# KiCad board st225_20527.kicad_pcb

Outline 136.78 x 199.14 mm; copper layers: Top, Bottom. Coordinates in mm from the lower left corner of the outline.
Outline path: 2.67,134.75 2.67,146.18 12.45,146.18 arc(43.65,142.98) 54.35,172.46 ; 3.17,134.75 arc(2.77,133.76) 1.78,133.35 0,133.35 0,98.04 1.65,98.04 arc(2.64,97.63) 3.05,96.65 3.05,86.74 3.33,86.74 arc(4.32,86.33) 4.73,85.34 4.73,66.42 arc(4.32,65.43) 3.33,65.02 3.05,65.02 3.05,55.25 arc(2.64,54.26) 1.65,53.85 0,53.85 0,28.19 5.84,28.19 5.84,12.32 1.52,12.32 1.52,2.16 3.56,0.13 26.54,0.13 28.7,2.29 28.7,8.76 arc(29.11,9.75) 30.1,10.16 59.05,10.16 arc(60.04,9.75) 60.45,8.76 60.45,2.16 62.48,0.13 104.27,0.13 105.54,1.4 105.54,8.76 arc(105.95,9.75) 106.93,10.16 110.49,10.16 arc(111.48,9.75) 111.89,8.76 111.89,1.4 arc(112.3,0.41) 113.28,0 135.38,0 arc(136.37,0.41) 136.78,1.4 136.78,12.32 130.94,12.32 130.94,28.19 136.78,28.19 136.78,53.98 135.13,53.98 arc(134.14,54.38) 133.73,55.37 133.73,65.15 133.45,65.15 arc(132.46,65.56) 132.05,66.55 132.05,85.47 arc(132.46,86.46) 133.45,86.87 133.73,86.87 133.73,96.77 arc(134.14,97.76) 135.13,98.17 136.78,98.17 136.78,133.22 135.13,133.22 arc(134.14,133.63) 133.73,134.62 133.73,144.4 133.45,144.4 arc(132.46,144.81) 132.05,145.8 132.05,164.72 arc(132.46,165.71) 133.45,166.12 133.73,166.12 133.73,176.02 arc(134.14,177.01) 135.13,177.42 136.78,177.42 136.78,193.04 130.68,199.14 54.36,199.14 54.36,172.47 ; 66.93,81.41 69.98,81.41 69.98,75.06 arc(68.45,66.9) 66.93,75.06 66.93,81.41
Stack: Top 0.035mm / dielectric 1.51mm FR4 er 4.5 / Bottom 0.035mm

## Placement (name value [footprint] x y rotation side)
1B1  74123  [DIP254P762X635-16]  30.34 15.36 180 top
1C1  7438  [DIP254P762X635-14]  71.63 20.44 270 top
1D2  7438  [DIP254P762X635-14]  91.44 20.44 270 top
1H1  7406  [DIP254P762X635-14]  91.44 33.26 270 top
2E1  75453  [DIP254P762X635-8]  104.64 23.1 180 top
3A1  74HC74  [DIP254P762X635-14]  20.31 38.98 180 top
3B1  7406  [DIP254P762X635-14]  30.72 38.98 180 top
3J1  74LS14  [DIP254P762X635-14]  71.76 33.01 270 top
4A1  74123  [DIP254P762X635-16]  19.17 63.74 180 top
4B1  7409  [DIP254P762X635-14]  30.61 59.94 180 top
4F1  11695-002  [DIP254P762X635-8]  116.7 60.06 180 top
5B1  10206-002  [DIP254P1524X635-40]  51.96 124.85 270 top
5D1  6500/1  [DIP254P1524X635-40]  70.59 113.28 90 top
6D1  74LS74  [DIP254P762X635-14]  90.18 139.31 270 top
6F1  7445  [DIP254P762X635-16]  130.19 143.75 270 top
7E1  11665-001  [DIP254P762X635-16]  105.55 155.31 270 top
7F1  7445  [DIP254P762X635-16]  127.77 155.18 270 top
8E1  10014-002  [DIP254P762X635-20]  103.65 169.54 270 top
9E1  11642-001  [DIP254P762X635-20]  103.65 180.71 270 top
C1  0.1uF  [C_Axial_L3.8mm_D2.6mm_P10.00mm_Horizontal]  76.96 169.29 90 top
C2  0.01uF  [C_Axial_L3.8mm_D2.6mm_P10.00mm_Horizontal]  107.31 174.32 90 top
C3  100pF  [C_Axial_L3.8mm_D2.6mm_P10.00mm_Horizontal]  56.6 151.51 0 top
C4  ?  [C_Axial_L3.8mm_D2.6mm_P10.00mm_Horizontal]  76.84 184.79 180 top
C5  ?  [C_Axial_L3.8mm_D2.6mm_P10.00mm_Horizontal]  76.75 182.25 180 top
C6  22pF  [C_Axial_L3.8mm_D2.6mm_P10.00mm_Horizontal]  74.29 156.8 90 top
C7  330pF  [C_Axial_L3.8mm_D2.6mm_P10.00mm_Horizontal]  49.86 127.25 0 top
C8  0.1uF  [C_Rect_L7.0mm_W2.0mm_P5.00mm]  52.03 107.06 180 top
C9  220pF  [C_Rect_L7.0mm_W3.5mm_P5.00mm]  39.62 131.1 90 top
C10  0.01uF  [C_Rect_L7.0mm_W2.0mm_P5.00mm]  24.09 132.33 180 top
C11  330pF  [C_Rect_L7.0mm_W2.0mm_P5.00mm]  24.09 135 180 top
C12  330pF  [C_Rect_L7.0mm_W2.0mm_P5.00mm]  24.09 129.79 180 top
C13  0.01uF  [C_Rect_L7.0mm_W2.0mm_P5.00mm]  24.09 127.38 180 top
C14  47pF  [C_Rect_L7.0mm_W2.0mm_P5.00mm]  34.29 94.27 90 top
C15  47pF  [C_Axial_L3.8mm_D2.6mm_P10.00mm_Horizontal]  24.13 106.98 270 top
C16  0.1uF  [C_Rect_L7.0mm_W2.0mm_P5.00mm]  16.72 106.81 180 top
C17  0.068uF  [C_Axial_L3.8mm_D2.6mm_P12.50mm_Horizontal]  69.06 22.86 0 top
C18  0.1uF  [C_Rect_L7.0mm_W2.5mm_P5.00mm]  104.9 194.52 270 top
C19  0.012uF  [C_Axial_L3.8mm_D2.6mm_P10.00mm_Horizontal]  71.75 179.37 270 top
C20  0.47uF  [C_Axial_L3.8mm_D2.6mm_P12.50mm_Horizontal]  121.79 38.71 90 top
C21  39  [C_Axial_L3.8mm_D2.6mm_P10.00mm_Horizontal]  97.62 109.6 0 top
C22  0.1uF  [C_Rect_L7.0mm_W2.0mm_P5.00mm]  15.28 59.94 0 top
C23  4.7uF  [CP_Radial_D5.0mm_P2.50mm]  16.45 89.28 180 top
C24  100uF  [C_Axial_L12.0mm_D6.5mm_P20.00mm_Horizontal]  113.03 32.48 270 top
C25  0.1uF  [C_Axial_L3.8mm_D2.6mm_P10.00mm_Horizontal]  79.38 148.54 90 top
C26  4.7uF  [CP_Radial_D5.0mm_P2.50mm]  15.18 96.27 180 top
C27  0.1uF  [C_Axial_L3.8mm_D2.6mm_P10.00mm_Horizontal]  116.67 32.77 0 top
C28  0.1uF  [C_Rect_L7.0mm_W2.0mm_P5.00mm]  20.15 15.37 180 top
C29  0.1uF  [C_Rect_L7.0mm_W2.0mm_P5.00mm]  11.05 92.42 270 top
C30  0.1uF  [C_Rect_L7.0mm_W2.5mm_P5.00mm]  109.81 145.03 180 top
C31  0.47uF  [C_Rect_L7.0mm_W2.0mm_P5.00mm]  16.72 103.63 180 top
C32  0.1uF  [C_Rect_L7.0mm_W2.0mm_P5.00mm]  15.15 35.56 0 top
C33  0.1uF  [C_Rect_L7.0mm_W2.0mm_P5.00mm]  52.54 35.18 180 top
C34  0.1uF  [C_Rect_L7.0mm_W2.0mm_P5.00mm]  91.4 22.86 180 top
C35  0.1uF  [C_Rect_L7.0mm_W2.0mm_P5.00mm]  10.29 59.44 270 top
C36  220pF  [C_Rect_L7.0mm_W2.0mm_P5.00mm]  15.15 20.45 0 top
C37  0.1uF  [C_Axial_L3.8mm_D2.6mm_P10.00mm_Horizontal]  32.89 34.46 270 top
C38  0.1uF  [C_Axial_L3.8mm_D2.6mm_P10.00mm_Horizontal]  130.09 133.73 180 top
C39  47pF  [C_Axial_L3.8mm_D2.6mm_P10.00mm_Horizontal]  29.21 96.98 90 top
C40  0.1uF  [C_Axial_L3.8mm_D2.6mm_P10.00mm_Horizontal]  71.84 109.47 0 top
C41  47pF  [C_Axial_L3.8mm_D2.6mm_P10.00mm_Horizontal]  18.92 96.98 90 top
C42  ?pF  [C_Axial_L3.8mm_D2.6mm_P10.00mm_Horizontal]  9.02 137.84 270 top
C43  0.1uF  [C_Axial_L3.8mm_D2.6mm_P10.00mm_Horizontal]  116.67 35.31 0 top
C44  100pF  [C_Rect_L7.0mm_W2.0mm_P5.00mm]  15.03 28.07 0 top
C45  DNI  [C_Axial_L3.8mm_D2.6mm_P10.00mm_Horizontal]  69.22 179.37 270 top
C46  0.1uF  [C_Axial_L3.8mm_D2.6mm_P10.00mm_Horizontal]  66.88 187.58 0 top
C47  0.1uF  [C_Axial_L3.8mm_D2.6mm_P10.00mm_Horizontal]  96.39 131.95 90 top
CR1  1N4148  [D_DO-35_SOD27_P10.16mm_Horizontal]  113.03 44.2 90 top
CR2  1N5818  [D_DO-35_SOD27_P10.16mm_Horizontal]  107.82 22.61 270 top
CR3  1N5818  [D_DO-35_SOD27_P10.16mm_Horizontal]  100.33 104.39 270 top
D5  LED  [PinHeader_1x02_P2.54mm_Vertical]  109.85 188.72 90 top
J1  control  [EDGE_34_100]  83.06 4.83 0 top
J2  data  [EDGE_20_100]  15.11 5.21 0 top
J3  POWER  [Samtec_HPM-04-01-x-S_Straight_1x04_Pitch5.08mm]  132.33 5.84 270 top
J4  SPINDLE  [PinHeader_1x07_P2.54mm_Vertical]  128.14 53.6 0 top
J5  HEADS  [PinHeader_2x09_P2.54mm_Horizontal]  82.05 183.07 90 top
J6  STEPPER  [PinHeader_1x05_P2.54mm_Vertical]  115.07 189.61 90 top
J7  CONFIG  [PinHeader_2x08_P2.54mm_Horizontal]  53.34 22.86 270 top
L1  22uH  [L_Axial_L9.5mm_D4.0mm_P15.24mm_Horizontal_Fastron_SMCC]  64.77 170.18 270 top
L2  22uH  [L_Axial_L9.5mm_D4.0mm_P15.24mm_Horizontal_Fastron_SMCC]  59.69 170.18 270 top
L3  10uH  [L_Axial_L9.5mm_D4.0mm_P15.24mm_Horizontal_Fastron_SMCC]  59.69 148.47 270 top
L4  10uH  [L_Axial_L9.5mm_D4.0mm_P15.24mm_Horizontal_Fastron_SMCC]  54.74 148.47 270 top
L5  3.3uH  [L_Axial_L9.5mm_D4.0mm_P12.70mm_Horizontal_Fastron_SMCC]  45.97 139.95 270 top
L6  10uH  [L_Axial_L9.5mm_D4.0mm_P15.24mm_Horizontal_Fastron_SMCC]  34.8 90.42 180 top
L7  22uH?  [L_Axial_L13.0mm_D4.5mm_P15.24mm_Horizontal_Fastron_HCCC]  127.38 12.7 98 top
L8  22uH?  [L_Axial_L13.0mm_D4.5mm_P15.24mm_Horizontal_Fastron_HCCC]  120.44 12.65 98 top
L9  ?uH  [L_Axial_L9.5mm_D4.0mm_P15.24mm_Horizontal_Fastron_SMCC]  5.08 127.38 90 top
Q1  BD436  [TO-126-3_Horizontal_TabDown]  116.27 99.19 270 top
Q2  2N6039  [TO-126-3_Horizontal_TabDown]  116.27 108.08 270 top
Q3  BD436  [TO-126-3_Horizontal_TabDown]  115 77.6 270 top
Q4  2N6039  [TO-126-3_Horizontal_TabDown]  115 86.61 270 top
Q5  BD436  [TO-126-3_Horizontal_TabDown]  104.78 36.96 0 top
Q6  2N3906  [TO-92L_Inline_Wide]  112.9 41.02 270 top
Q7  2N3906  [TO-92L_Inline_Wide]  121.93 54.17 180 top
Q9  2N3906  [TO-92L_Inline_Wide]  99.06 144.91 180 top
R1  162  [R_Axial_DIN0207_L6.3mm_D2.5mm_P10.16mm_Horizontal]  63.37 174.88 90 top
R2  162  [R_Axial_DIN0207_L6.3mm_D2.5mm_P10.16mm_Horizontal]  60.96 175.01 90 top
R3  357  [R_Axial_DIN0207_L6.3mm_D2.5mm_P10.16mm_Horizontal]  59.94 130.05 180 top
R4  71.5  [R_Axial_DIN0207_L6.3mm_D2.5mm_P10.16mm_Horizontal]  42.16 137.41 270 top
R5  13.0K  [R_Axial_DIN0207_L6.3mm_D2.5mm_P10.16mm_Horizontal]  31.75 94.23 180 top
R6  100  [R_Axial_DIN0207_L6.3mm_D2.5mm_P10.16mm_Horizontal]  9.02 106.81 270 top
R7  54.9  [R_Axial_DIN0207_L6.3mm_D2.5mm_P10.16mm_Horizontal]  44.45 101.85 180 top
R8  2.8K  [R_Axial_DIN0207_L6.3mm_D2.5mm_P10.16mm_Horizontal]  44.45 104.52 180 top
R9  1K  [R_Axial_DIN0207_L6.3mm_D2.5mm_P10.16mm_Horizontal]  43.05 35.81 270 top
R10  47  [R_Axial_DIN0207_L6.3mm_D2.5mm_P10.16mm_Horizontal]  66.8 22.86 180 top
R11  1.37K  [R_Axial_DIN0207_L6.3mm_D2.5mm_P10.16mm_Horizontal]  44.45 106.93 180 top
R12  100  [R_Axial_DIN0207_L6.3mm_D2.5mm_P10.16mm_Horizontal]  107.44 186.94 90 top
R13  3.3K  [R_Axial_DIN0207_L6.3mm_D2.5mm_P10.16mm_Horizontal]  94.49 22.61 90 top
R14  15K  [R_Axial_DIN0207_L6.3mm_D2.5mm_P10.16mm_Horizontal]  119.38 65.02 0 top
R15  470  [R_Axial_DIN0207_L6.3mm_D2.5mm_P10.16mm_Horizontal]  119.38 62.61 0 top
R16  3.3K  [R_Axial_DIN0207_L6.3mm_D2.5mm_P10.16mm_Horizontal]  107.82 34.67 270 top
R17  22.1K  [R_Axial_DIN0207_L6.3mm_D2.5mm_P10.16mm_Horizontal]  129.54 67.56 180 top
R18  3.32K  [R_Axial_DIN0204_L3.6mm_D1.6mm_P7.62mm_Horizontal]  12.83 22.86 0 top
R19  1.00K  [R_Axial_DIN0204_L3.6mm_D1.6mm_P7.62mm_Horizontal]  12.7 25.53 0 top
R20  330  [R_Axial_DIN0207_L6.3mm_D2.5mm_P10.16mm_Horizontal]  97.79 106.81 0 top
R21  ?  [R_Axial_DIN0207_L6.3mm_D2.5mm_P10.16mm_Horizontal]  98.93 131.7 90 top
R22  200  [RESA700]  104.01 95.63 90 top
R23  750  [R_Axial_DIN0207_L6.3mm_D2.5mm_P10.16mm_Horizontal]  112.27 81.66 270 top
R24  11.0K  [R_Axial_DIN0207_L6.3mm_D2.5mm_P7.62mm_Horizontal]  12.7 17.91 0 top
R25  13.0K  [R_Axial_DIN0207_L6.3mm_D2.5mm_P7.62mm_Horizontal]  12.57 30.61 0 top
R26  100  [R_Axial_DIN0207_L6.3mm_D2.5mm_P10.16mm_Horizontal]  117.98 48.77 270 top
R27  0.39  [R_Axial_DIN0309_L9.0mm_D3.2mm_P20.32mm_Horizontal]  111.63 89.41 90 top
R28  330  [R_Axial_DIN0207_L6.3mm_D2.5mm_P10.16mm_Horizontal]  97.79 104.39 270 top
R29  200  [RESA700]  107.82 80.39 90 top
R30  6.2K  [R_Axial_DIN0207_L6.3mm_D2.5mm_P10.16mm_Horizontal]  84.46 148.46 90 top
R31  3.3K  [R_Axial_DIN0207_L6.3mm_D2.5mm_P10.16mm_Horizontal]  35.31 35.81 270 top
R32  8.84K  [R_Axial_DIN0207_L6.3mm_D2.5mm_P10.16mm_Horizontal]  31.62 107.06 270 top
R33  43.5K  [R_Axial_DIN0207_L6.3mm_D2.5mm_P7.62mm_Horizontal]  12.7 57.4 0 top
R34  43.5K  [R_Axial_DIN0207_L6.3mm_D2.5mm_P7.62mm_Horizontal]  11.43 84.84 0 top
R35  6.2K  [R_Axial_DIN0207_L6.3mm_D2.5mm_P10.16mm_Horizontal]  69.34 109.47 180 top
R36  8.84K  [R_Axial_DIN0207_L6.3mm_D2.5mm_P10.16mm_Horizontal]  26.67 96.9 90 top
R37  ?  [R_Axial_DIN0207_L6.3mm_D2.5mm_P10.16mm_Horizontal]  102.23 141.86 270 top
R38  39K  [R_Axial_DIN0207_L6.3mm_D2.5mm_P10.16mm_Horizontal]  93.98 141.99 270 top
R39  15  [R_Axial_DIN0309_L9.0mm_D3.2mm_P20.32mm_Horizontal]  117.6 164.47 90 top
R40  15  [R_Axial_DIN0309_L9.0mm_D3.2mm_P20.32mm_Horizontal]  111.12 164.47 90 top
R41  15  [R_Axial_DIN0309_L9.0mm_D3.2mm_P20.32mm_Horizontal]  123.82 164.47 90 top
R42  15  [R_Axial_DIN0309_L9.0mm_D3.2mm_P20.32mm_Horizontal]  130.3 164.47 90 top
R43  17.4K  [R_Axial_DIN0207_L6.3mm_D2.5mm_P10.16mm_Horizontal]  21.72 107.06 270 top
R44  5.1  [R_Axial_DIN0207_L6.3mm_D2.5mm_P10.16mm_Horizontal]  107.31 161.67 90 top
R45  499  [R_Axial_DIN0207_L6.3mm_D2.5mm_P10.16mm_Horizontal]  26.67 132.21 0 top
R46  510  [R_Axial_DIN0207_L6.3mm_D2.5mm_P10.16mm_Horizontal]  76.84 166.88 270 top
R47  499  [R_Axial_DIN0207_L6.3mm_D2.5mm_P10.16mm_Horizontal]  36.83 127.25 180 top
R48  10.0  [R_Axial_DIN0207_L6.3mm_D2.5mm_P10.16mm_Horizontal]  36.83 135 180 top
R49  10.0  [R_Axial_DIN0207_L6.3mm_D2.5mm_P10.16mm_Horizontal]  36.83 129.79 180 top
R50  2.61K  [R_Axial_DIN0207_L6.3mm_D2.5mm_P10.16mm_Horizontal]  16.51 127.89 90 top
R51  750  [R_Axial_DIN0207_L6.3mm_D2.5mm_P10.16mm_Horizontal]  13.97 138.05 270 top
R52  1.05K  [R_Axial_DIN0207_L6.3mm_D2.5mm_P10.16mm_Horizontal]  11.56 138.05 270 top
R61  220  [R_Axial_DIN0207_L6.3mm_D2.5mm_P10.16mm_Horizontal]  38.1 35.81 270 top
R62  330  [R_Axial_DIN0207_L6.3mm_D2.5mm_P10.16mm_Horizontal]  40.64 25.65 90 top
R75  22  [R_Axial_DIN0207_L6.3mm_D2.5mm_P10.16mm_Horizontal]  74.29 169.29 90 top
RP1  1.00K  [R_Array_SIP4]  27.94 86.5 270 top
RP3  6.8K  [R_Array_SIP4]  95.12 106.82 270 top
RP4  51  [R_Array_SIP6]  106.55 67.56 270 top
RP5  820  [R_Array_SIP8]  105.41 158.37 180 top
RP6  12497-001  [R_Array_SIP6]  101.47 48.39 270 top
RP7  3.3K  [R_Array_SIP6]  87.76 141.99 180 top
RP10  820  [R_Array_SIP8]  127.77 158.24 180 top
RP12  5.6K  [R_Array_SIP8]  33.02 37.47 90 top
RP14  330,220  [R_Array_SIP10]  86.23 39.24 180 top
TP1  TestPoint  [TestPoint_THTPad_1.5x1.5mm_Drill0.7mm]  50.29 141.35 0 top
TP2  TestPoint  [TestPoint_THTPad_1.5x1.5mm_Drill0.7mm]  50.16 133.1 0 top
TP3  TestPoint  [TestPoint_THTPad_1.5x1.5mm_Drill0.7mm]  50.29 137.41 0 top
TP4  TestPoint  [TestPoint_THTPad_D1.5mm_Drill0.7mm]  126.49 194.56 0 top
TP5  TestPoint  [TestPoint_THTPad_D1.5mm_Drill0.7mm]  123.95 194.56 0 top
TP6  TestPoint  [TestPoint_THTPad_D1.5mm_Drill0.7mm]  121.28 194.56 0 top
TP7  TestPoint  [TestPoint_THTPad_D1.5mm_Drill0.7mm]  118.75 194.56 0 top
Y1  ?MHz  [Crystal_HC49-U_Horizontal]  130.56 113.41 180 top

## Library data of the parts
1B1 4A1 = -: Description: Dual retriggerable Monostable
1C1 1D2 = -: Description: Quad Buffer 2-input NAND Open collector
1H1 3B1 = -: Description: Inverter Open Collect
2E1 = -: Description: quad 2-input NOR, open collector
3A1 6D1 = -: Description: Dual D Flip-flop, Set & Reset
3J1 = -: Description: Hex inverter schmitt trigger
4B1 = -: Description: Quad 2-input AND Open Collect
C1-C22 C25 C27-C47 = -: Description: Unpolarized capacitor, small symbol
C23 C24 C26 = -: Description: Polarized capacitor, small US symbol
CR1-CR3 = -: Description: Diode, small symbol, filled shape; Sim.Device: D; Sim.Pins: 1=K 2=A
D5 = -: Description: Light emitting diode, small symbol, filled shape
J1 = -: Description: Generic connector, double row, 02x17, odd/even pin numbering scheme (row 1 odd numbers, row 2 even numbers), script generated (kicad-library-utils/schlib/autogen/connector/)
J2 = -: Description: Generic connector, double row, 02x10, odd/even pin numbering scheme (row 1 odd numbers, row 2 even numbers), script generated (kicad-library-utils/schlib/autogen/connector/)
J3 = -: Description: Generic connector, single row, 01x04, script generated (kicad-library-utils/schlib/autogen/connector/)
J4 = -: Description: Generic connector, single row, 01x07, script generated (kicad-library-utils/schlib/autogen/connector/)
J5 = -: Description: Generic connector, double row, 02x09, odd/even pin numbering scheme (row 1 odd numbers, row 2 even numbers), script generated (kicad-library-utils/schlib/autogen/connector/)
J6 = -: Description: Generic connector, single row, 01x05, script generated (kicad-library-utils/schlib/autogen/connector/)
J7 = -: Description: Generic connector, double row, 02x08, odd/even pin numbering scheme (row 1 odd numbers, row 2 even numbers), script generated (kicad-library-utils/schlib/autogen/connector/)
L1-L6 L9 = -: Description: Inductor, small symbol
L7 L8 = -: Description: Inductor
Q1 Q3 Q5 = -: Description: PNP transistor, emitter/collector/base
Q2 Q4 = -: Description: NPN transistor, emitter/collector/base
Q6 Q7 Q9 = -: Description: PNP transistor, emitter/base/collector
R1-R52 R61 R62 R75 = -: Description: Resistor, small US symbol
RP1 = -: Description: 2 resistor network, parallel topology, SIP package
RP3 = -: Description: 2 resistor network, parallel topology, SIP package, split
RP4 RP6 = -: Description: 3 resistor network, parallel topology, SIP package, split
RP5 RP10 = -: Description: 4 resistor network, parallel topology, SIP package, split
RP7 = -: Description: 5 resistor network, star topology, bussed resistors, split
RP12 = -: Description: 7 resistor network, star topology, bussed resistors, split
RP14 = -: Description: 8 voltage divider network, dual terminator, SIP package
TP1-TP7 = -: Description: test point
Y1 = -: Description: Two pin crystal, small symbol

## Footprints (pads in the part's own frame, mm; a bottom-side part is the same pattern mirrored in y, then rotated)
C_Axial_L3.8mm_D2.6mm_P10.00mm_Horizontal
  round 1.6 hole 0.8: 1(0,0)
  oval 1.6x1.6 hole 0.8: 2(10,0)
C_Axial_L3.8mm_D2.6mm_P12.50mm_Horizontal
  round 1.6 hole 0.8: 1(0,0)
  oval 1.6x1.6 hole 0.8: 2(12.5,0)
C_Axial_L12.0mm_D6.5mm_P20.00mm_Horizontal
  round 1.6 hole 0.8: 1(0,0)
  oval 1.6x1.6 hole 0.8: 2(20,0)
C_Rect_L7.0mm_W2.0mm_P5.00mm
  round 1.6 hole 0.8: 1(0,0) 2(5,0)
C_Rect_L7.0mm_W2.5mm_P5.00mm
  round 1.6 hole 0.8: 1(0,0) 2(5,0)
C_Rect_L7.0mm_W3.5mm_P5.00mm
  round 1.6 hole 0.8: 1(0,0) 2(5,0)
CP_Radial_D5.0mm_P2.50mm
  rect 1.6x1.6 hole 0.8: 1(0,0)
  round 1.6 hole 0.8: 2(2.5,0)
Crystal_HC49-U_Horizontal
  round 1.5 hole 0.8: 1(0,0) 2(4.9,0)
D_DO-35_SOD27_P10.16mm_Horizontal
  rect 1.6x1.6 hole 0.8: 1(0,0)
  oval 1.6x1.6 hole 0.8: 2(10.16,0)
DIP254P762X635-8
  rect 1.6x1.6 hole 0.8: 1(0,0)
  oval 1.6x1.6 hole 0.8: 2(0,-2.54) 3(0,-5.08) 4(0,-7.62) 5(7.62,-7.62) 6(7.62,-5.08) 7(7.62,-2.54) 8(7.62,0)
DIP254P762X635-14
  rect 1.6x1.6 hole 0.8: 1(0,0)
  oval 1.6x1.6 hole 0.8: 2(0,-2.54) 3(0,-5.08) 4(0,-7.62) 5(0,-10.16) 6(0,-12.7) 7(0,-15.24) 8(7.62,-15.24) 9(7.62,-12.7) 10(7.62,-10.16) 11(7.62,-7.62) 12(7.62,-5.08) 13(7.62,-2.54) 14(7.62,0)
DIP254P762X635-16
  rect 1.6x1.6 hole 0.8: 1(0,0)
  oval 1.6x1.6 hole 0.8: 2(0,-2.54) 3(0,-5.08) 4(0,-7.62) 5(0,-10.16) 6(0,-12.7) 7(0,-15.24) 8(0,-17.78) 9(7.62,-17.78) 10(7.62,-15.24) 11(7.62,-12.7) 12(7.62,-10.16) 13(7.62,-7.62) 14(7.62,-5.08) 15(7.62,-2.54) 16(7.62,0)
DIP254P762X635-20
  rect 1.6x1.6 hole 0.8: 1(0,0)
  oval 1.6x1.6 hole 0.8: 2(0,-2.54) 3(0,-5.08) 4(0,-7.62) 5(0,-10.16) 6(0,-12.7) 7(0,-15.24) 8(0,-17.78) 9(0,-20.32) 10(0,-22.86) 11(7.62,-22.86) 12(7.62,-20.32) 13(7.62,-17.78) 14(7.62,-15.24) 15(7.62,-12.7) 16(7.62,-10.16) 17(7.62,-7.62) 18(7.62,-5.08) 19(7.62,-2.54) 20(7.62,0)
DIP254P1524X635-40
  rect 1.6x1.6 hole 0.8: 1(0,0)
  oval 1.6x1.6 hole 0.8: 2(0,-2.54) 3(0,-5.08) 4(0,-7.62) 5(0,-10.16) 6(0,-12.7) 7(0,-15.24) 8(0,-17.78) 9(0,-20.32) 10(0,-22.86) 11(0,-25.4) 12(0,-27.94) 13(0,-30.48) 14(0,-33.02) 15(0,-35.56) 16(0,-38.1) 17(0,-40.64) 18(0,-43.18) 19(0,-45.72) 20(0,-48.26) 21(15.24,-48.26) 22(15.24,-45.72) 23(15.24,-43.18) 24(15.24,-40.64) 25(15.24,-38.1) 26(15.24,-35.56) 27(15.24,-33.02) 28(15.24,-30.48) 29(15.24,-27.94) 30(15.24,-25.4) 31(15.24,-22.86) 32(15.24,-20.32) 33(15.24,-17.78) 34(15.24,-15.24) 35(15.24,-12.7) 36(15.24,-10.16) 37(15.24,-7.62) 38(15.24,-5.08) 39(15.24,-2.54) 40(15.24,0)
EDGE_20_100
  oval 1.27x8.382 smd: 1(11.43,0) 3(8.89,0) 5(6.35,0) 7(3.81,0) 9(1.27,0) 11(-1.27,0) 13(-3.81,0) 15(-6.35,0) 17(-8.89,0) 19(-11.43,0)
  oval 1.27x8.382 smd far side: 2(11.43,0) 4(8.89,0) 6(6.35,0) 8(3.81,0) 10(1.27,0) 12(-1.27,0) 14(-3.81,0) 16(-6.35,0) 18(-8.89,0) 20(-11.43,0)
EDGE_34_100
  oval 1.27x8.382 smd: 1(20.32,0) 3(17.78,0) 5(15.24,0) 7(12.7,0) 9(10.16,0) 11(7.62,0) 13(5.08,0) 15(2.54,0) 17(0,0) 19(-2.54,0) 21(-5.08,0) 23(-7.62,0) 25(-10.16,0) 27(-12.7,0) 29(-15.24,0) 31(-17.78,0) 33(-20.32,0)
  oval 1.27x8.382 smd far side: 2(20.32,0) 4(17.78,0) 6(15.24,0) 8(12.7,0) 10(10.16,0) 12(7.62,0) 14(5.08,0) 16(2.54,0) 18(0,0) 20(-2.54,0) 22(-5.08,0) 24(-7.62,0) 26(-10.16,0) 28(-12.7,0) 30(-15.24,0) 32(-17.78,0) 34(-20.32,0)
L_Axial_L9.5mm_D4.0mm_P12.70mm_Horizontal_Fastron_SMCC
  round 2 hole 1: 1(0,0)
  oval 2x2 hole 1: 2(12.7,0)
L_Axial_L9.5mm_D4.0mm_P15.24mm_Horizontal_Fastron_SMCC
  round 2 hole 1: 1(0,0)
  oval 2x2 hole 1: 2(15.24,0)
L_Axial_L13.0mm_D4.5mm_P15.24mm_Horizontal_Fastron_HCCC
  round 2.4 hole 1.2: 1(0,0)
  oval 2.4x2.4 hole 1.2: 2(15.24,0)
PinHeader_1x02_P2.54mm_Vertical
  rect 1.7x1.7 hole 1: 1(0,0)
  oval 1.7x1.7 hole 1: 2(0,-2.54)
PinHeader_1x05_P2.54mm_Vertical
  rect 1.7x1.7 hole 1: 1(0,0)
  oval 1.7x1.7 hole 1: 2(0,-2.54) 3(0,-5.08) 4(0,-7.62) 5(0,-10.16)
PinHeader_1x07_P2.54mm_Vertical
  rect 1.7x1.7 hole 1: 1(0,0)
  oval 1.7x1.7 hole 1: 2(0,-2.54) 3(0,-5.08) 4(0,-7.62) 5(0,-10.16) 6(0,-12.7) 7(0,-15.24)
PinHeader_2x08_P2.54mm_Horizontal
  rect 1.7x1.7 hole 1: 1(0,0)
  oval 1.7x1.7 hole 1: 2(2.54,0) 3(0,-2.54) 4(2.54,-2.54) 5(0,-5.08) 6(2.54,-5.08) 7(0,-7.62) 8(2.54,-7.62) 9(0,-10.16) 10(2.54,-10.16) 11(0,-12.7) 12(2.54,-12.7) 13(0,-15.24) 14(2.54,-15.24) 15(0,-17.78) 16(2.54,-17.78)
PinHeader_2x09_P2.54mm_Horizontal
  rect 1.7x1.7 hole 1: 1(0,0)
  oval 1.7x1.7 hole 1: 2(2.54,0) 3(0,-2.54) 4(2.54,-2.54) 5(0,-5.08) 6(2.54,-5.08) 7(0,-7.62) 8(2.54,-7.62) 9(0,-10.16) 10(2.54,-10.16) 11(0,-12.7) 12(2.54,-12.7) 13(0,-15.24) 14(2.54,-15.24) 15(0,-17.78) 16(2.54,-17.78) 17(0,-20.32) 18(2.54,-20.32)
R_Array_SIP4
  rect 1.6x1.6 hole 0.8: 1(0,0)
  oval 1.6x1.6 hole 0.8: 2(2.54,0) 3(5.08,0) 4(7.62,0)
R_Array_SIP6
  rect 1.6x1.6 hole 0.8: 1(0,0)
  oval 1.6x1.6 hole 0.8: 2(2.54,0) 3(5.08,0) 4(7.62,0) 5(10.16,0) 6(12.7,0)
R_Array_SIP8
  rect 1.6x1.6 hole 0.8: 1(0,0)
  oval 1.6x1.6 hole 0.8: 2(2.54,0) 3(5.08,0) 4(7.62,0) 5(10.16,0) 6(12.7,0) 7(15.24,0) 8(17.78,0)
R_Array_SIP10
  rect 1.6x1.6 hole 0.8: 1(0,0)
  oval 1.6x1.6 hole 0.8: 2(2.54,0) 3(5.08,0) 4(7.62,0) 5(10.16,0) 6(12.7,0) 7(15.24,0) 8(17.78,0) 9(20.32,0) 10(22.86,0)
R_Axial_DIN0204_L3.6mm_D1.6mm_P7.62mm_Horizontal
  round 1.4 hole 0.7: 1(0,0)
  oval 1.4x1.4 hole 0.7: 2(7.62,0)
R_Axial_DIN0207_L6.3mm_D2.5mm_P7.62mm_Horizontal
  round 1.6 hole 0.8: 1(0,0)
  oval 1.6x1.6 hole 0.8: 2(7.62,0)
R_Axial_DIN0207_L6.3mm_D2.5mm_P10.16mm_Horizontal
  round 1.6 hole 0.8: 1(0,0)
  oval 1.6x1.6 hole 0.8: 2(10.16,0)
R_Axial_DIN0309_L9.0mm_D3.2mm_P20.32mm_Horizontal
  round 1.6 hole 0.8: 1(0,0)
  oval 1.6x1.6 hole 0.8: 2(20.32,0)
RESA700
  round 2.286 hole 1.524: 1(8.89,0) 2(-8.89,0)
Samtec_HPM-04-01-x-S_Straight_1x04_Pitch5.08mm
  rect 2.8x2.8 hole 1.75: 1(0,0)
  round 2.8 hole 1.75: 2(0,-5.08) 3(0,-10.16) 4(0,-15.24)
TestPoint_THTPad_1.5x1.5mm_Drill0.7mm
  rect 1.5x1.5 hole 0.7: 1(0,0)
TestPoint_THTPad_D1.5mm_Drill0.7mm
  round 1.5 hole 0.7: 1(0,0)
TO-92L_Inline_Wide
  rect 1.5x1.5 hole 0.8: 1(0,0)
  round 1.5 hole 0.8: 2(2.54,0) 3(5.08,0)
TO-126-3_Horizontal_TabDown
  oval 3.2x3.2 hole 3.2 unplated: (2.54,11.1)
  rect 1.8x1.8 hole 1: 1(0,0)
  oval 1.8x1.8 hole 1: 2(2.54,0) 3(5.08,0)

## Nets
+5V: 1B1.16 1C1.14 1D2.14 1H1.14 2E1.8 3A1.14 3B1.14 3J1.14 4A1.16 4B1.14 5B1.27 5D1.1 5D1.30 6D1.14 6F1.16 7F1.16 8E1.18 C14.2 C15.2 C16.1 C28.1 C31.1 C32.1 C33.1 C34.1 C35.1 C37.1 C38.1 C39.1 C40.1 C41.1 C43.1 C47.1 D5.2 J4.3 L8.2 Q7.1 R9.1 R13.1 R16.1 R17.1 R18.1 R19.1 R24.1 R25.1 R30.1 R31.1 R33.1 R34.1 R35.1 R61.1 RP1.4 RP7.1 RP12.1 RP14.10
+12V: 4F1.8 7E1.1 7E1.16 C24.1 C27.1 C30.2 CR2.2 CR3.2 L6.1 L7.2 R37.2 RP4.5
+12VA: 5B1.40 C8.1 C26.1 C29.1 C46.1 L6.2 R75.2
GND: 1B1.1 1B1.8 1B1.9 1C1.7 1D2.7 1H1.7 2E1.4 3A1.7 3B1.7 3J1.7 4A1.1 4A1.8 4A1.9 4B1.7 4F1.4 5B1.5 5B1.26 5B1.28 5D1.12 6D1.7 6D1.12 6F1.8 7E1.4 7E1.5 7E1.12 7E1.13 7F1.8 8E1.11 9E1.11 9E1.17 9E1.18 9E1.19 9E1.20 C1.2 C2.2 C8.2 C11.2 C12.2 C16.2 C17.2 C18.2 C24.2 C25.1 C26.2 C27.2 C28.2 C29.2 C30.1 C31.2 C32.2 C33.2 C34.2 C35.2 C37.2 C38.2 C40.2 C43.2 C46.2 C47.2 J1.1 J1.3 J1.5 J1.7 J1.9 J1.11 J1.13 J1.15 J1.17 J1.19 J1.21 J1.23 J1.25 J1.27 J1.29 J1.31 J1.33 J2.2 J2.4 J2.6 J2.8 J2.11 J2.12 J2.15 J2.16 J2.19 J2.20 J3.2 J3.3 J4.2 J5.1 J5.5 J5.9 J5.13 J5.17 J5.18 J7.1 J7.7 R5.2 R7.1 R15.2 R27.2 R32.2 R36.1 R38.2 R43.2 R45.1 R47.2 R62.2 RP5.1 RP5.4 RP5.6 RP5.8 RP6.6 RP14.1 TP3.1
/Analog and Interface/+RD: 5B1.22 J2.17
/Analog and Interface/-RD: 5B1.23 J2.18
/Analog and Interface/COIL_A: J4.5 Q1.2 Q2.2 R26.2 RP3.1
/Analog and Interface/COIL_B: C20.1 J4.7 Q3.2 Q4.2 RP3.3
/Analog and Interface/COIL_TAP: CR1.1 J4.4 Q5.2
/Analog and Interface/DS1: J1.26 J7.16
/Analog and Interface/DS2: J1.28 J7.14
/Analog and Interface/DS3: J1.30 J7.12
/Analog and Interface/DS4: J1.32 J7.10
/Analog and Interface/HDC1: 8E1.9 J5.3
/Analog and Interface/HDC2: 8E1.8 J5.7
/Analog and Interface/HDC3: 8E1.7 J5.11
/Analog and Interface/HDC4: 8E1.6 J5.15
/Analog and Interface/TWO: 1C1.6 J7.5
/Analog and Interface/WF: 1C1.1 J7.6 RP12.4
/Analog and Interface/~{DIR}: 3J1.3 J1.34 RP14.8
/Analog and Interface/~{DRIVE_SELECT}: 1C1.8 J2.1
/Analog and Interface/~{HD2_0}: 8E1.17 J1.14 RP14.2
/Analog and Interface/~{HD2_1}: 8E1.16 J1.18 RP14.3
/Analog and Interface/~{HD2_2}: J1.4 RP14.5
/Analog and Interface/~{HD2_3}: J1.2 RP14.4
/Analog and Interface/~{RD_DRV_SEL}: 1H1.4 1H1.5 5B1.18 J7.2 RP7.5
/Analog and Interface/~{RECOVERY_MODE}: J1.16 J2.7 J7.4
/Analog and Interface/~{STEP}: 3J1.13 J1.24 RP14.7
/Analog and Interface/~{WRT_GATE}: 5B1.35 J1.6 RP14.6
/Digital and Stepper/PA0: 1D2.5 4A1.13 5D1.38
/Digital and Stepper/PA7: 3B1.11 3B1.12 5D1.31
/Digital and Stepper/PU123: 1B1.3 1B1.11 4A1.3 4A1.11 R19.2
DIR: 3J1.4 6D1.2
FREF: 5D1.11 C21.1 Y1.1
HALL_IN: 2E1.6 3A1.11 3B1.1 4F1.3 J4.1 R31.2
LIFE_TEST: 5D1.33 J7.8 RP12.3
RD_DATA: 1B1.10 3A1.3 5B1.21 R18.2
READY: 1D2.10 3J1.10 4B1.1
RECOVERY_MODE: 3B1.5 3J1.6 5D1.36